# Allegro board C000PC009-HI3516DV300-CORE-A-A01.brd (continued)
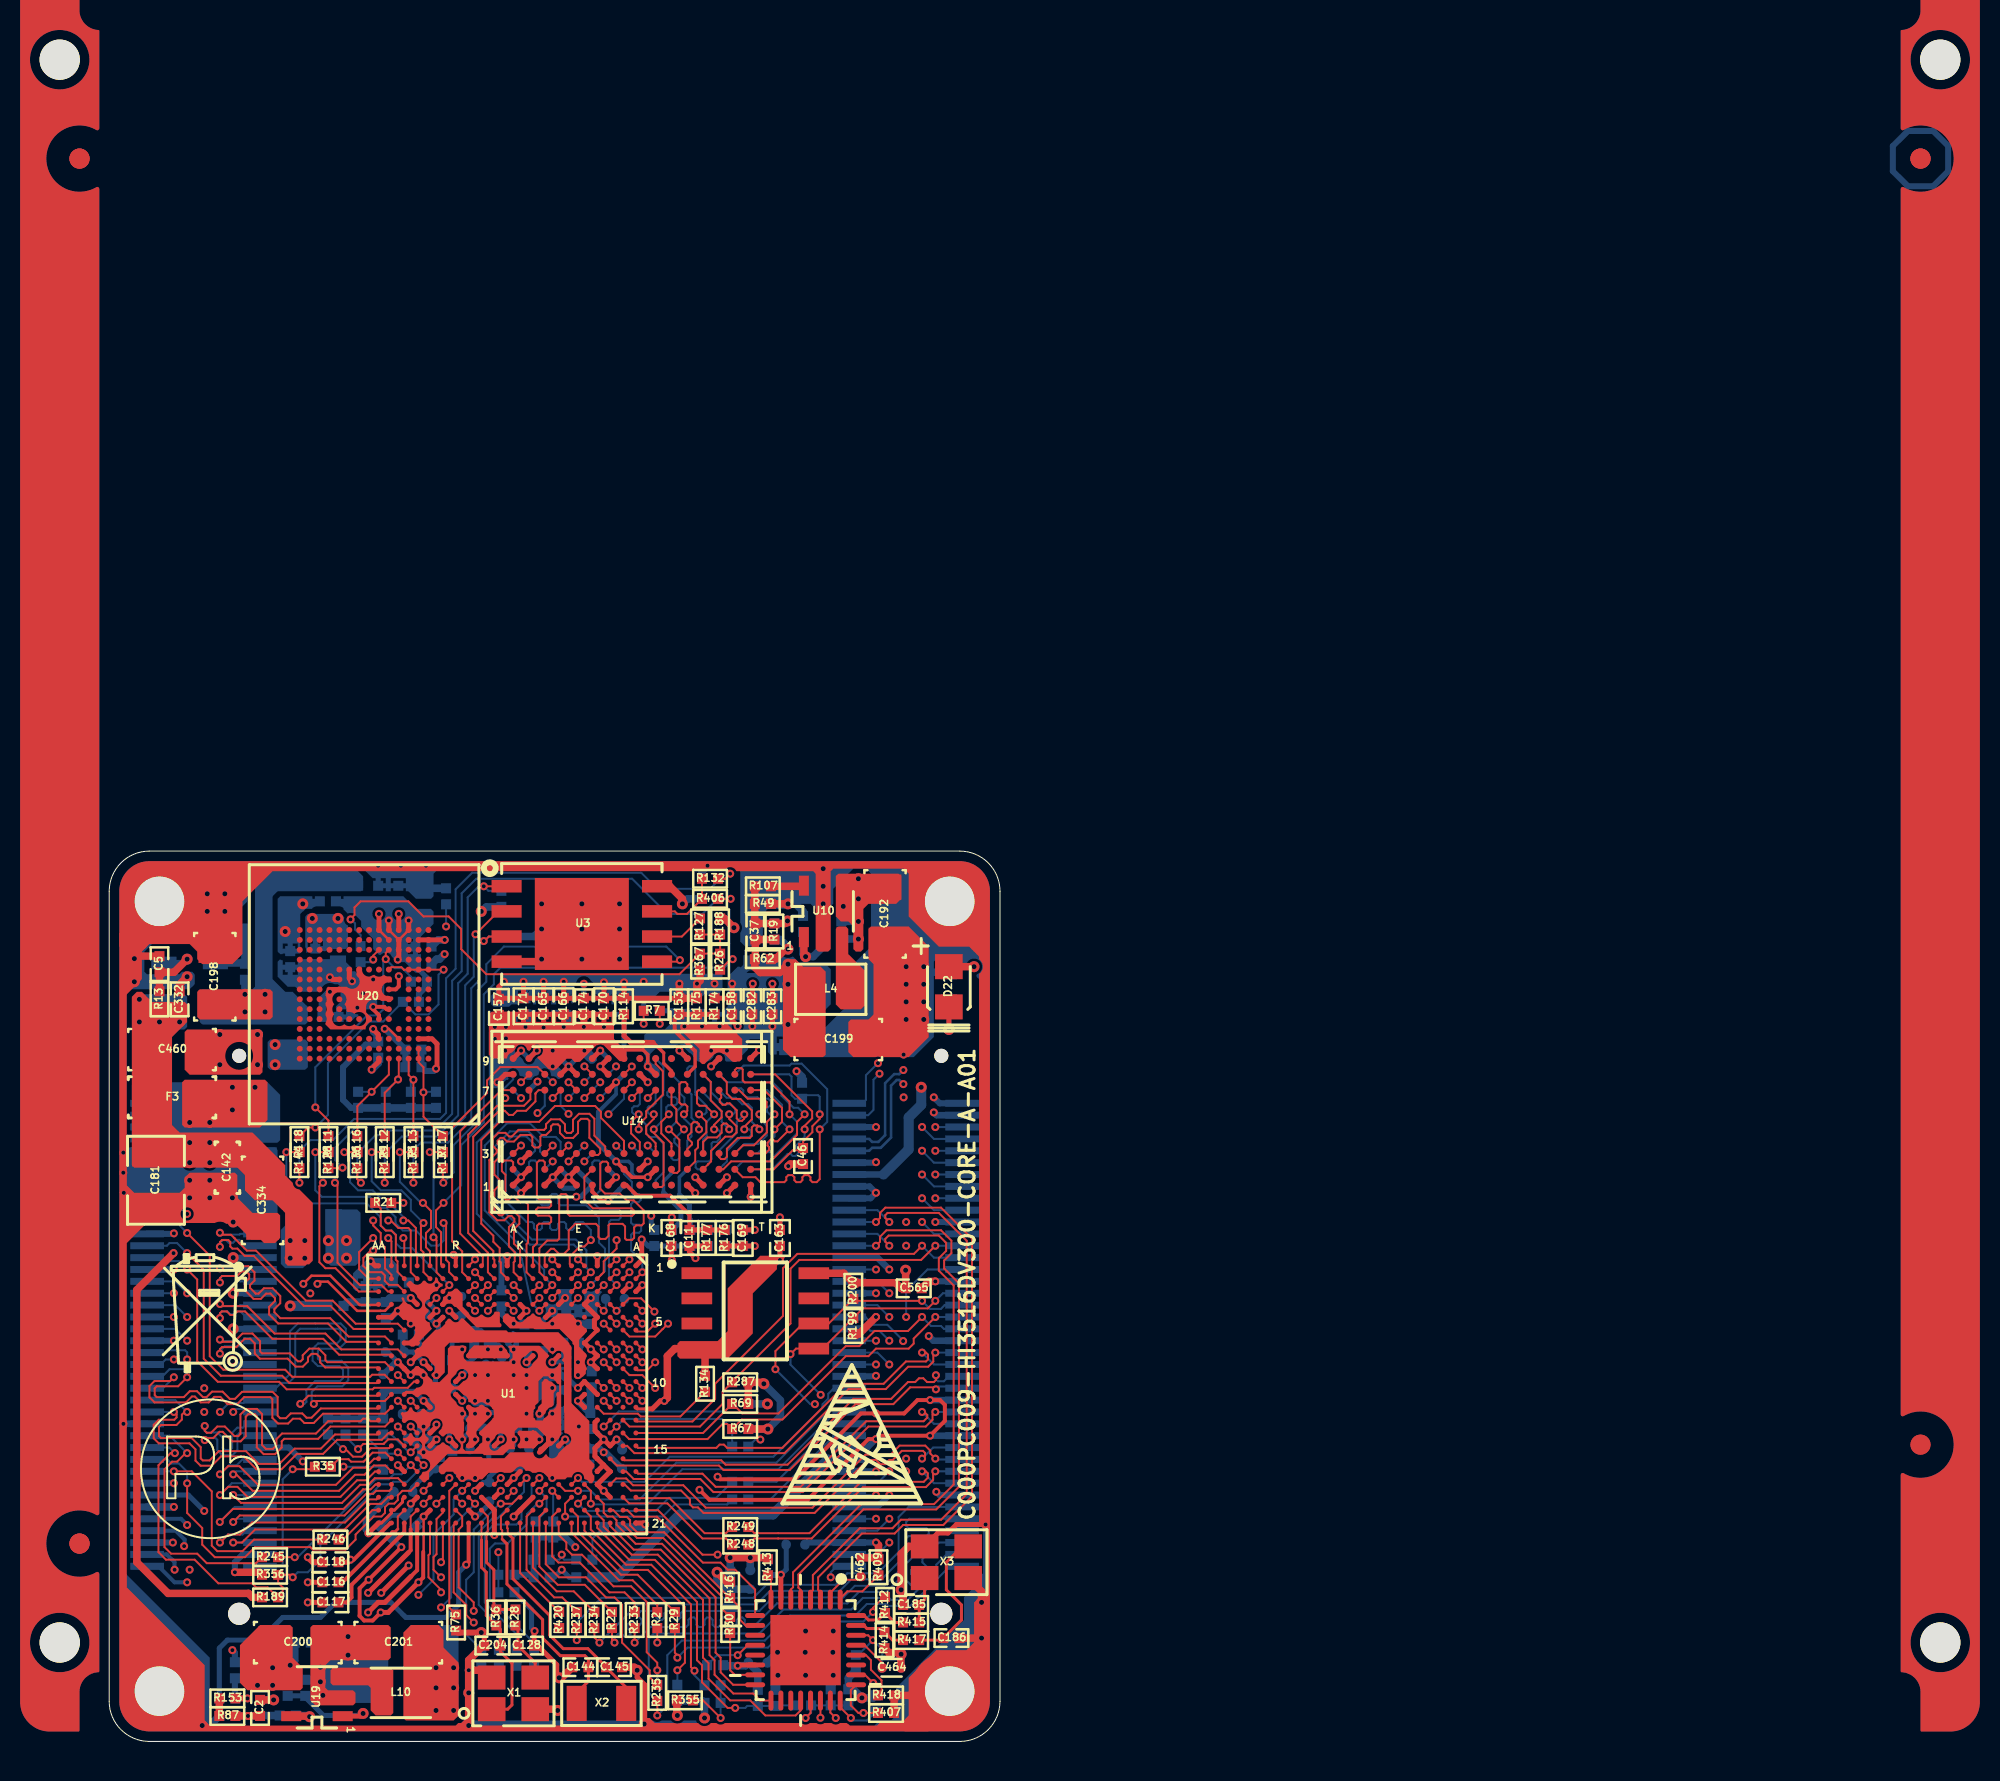
[diagram p0: board, top side]
## Routing (per net, layer and track width the routed paths; a pad name or vN(x,y) marks a point on that pad's centre or on a via; arc(x,y) is an arc through that point) (continued)
  vias: v1(0.71,29.76) v1(0.71,28.74) v1(0.74,27.73) v1(4.8,17.85) v1(4.8,16.65) v1(10.16,22.65) v1(12.54,37.08) v1(13.59,44.26) v1(14.73,44.26) v1(15.88,15.91) v1(16,44.26) v1(17.83,19.82) v1(18.48,17.21) v1(19.13,18.52) v1(20.43,19.17) v1(20.43,18.52) v1(21.08,18.52) v1(21.08,17.87) v1(22.38,18.52) v1(22.38,16.56) v1(40.13,34.71) v1(40.13,32.55) v1(40.26,26.25) v1(40.26,25.05) v1(40.26,14.29) v1(40.26,13.65) v2(4.06,28.36) v2(4.06,27.47) v2(4.95,42.84) v2(5.08,28.36) v2(5.08,27.47) v2(5.59,35.73) v2(5.59,34.2) v2(5.84,42.84) v2(5.84,41.95) v2(6.22,27.47) v2(7.49,35.73) v2(7.49,34.2) v2(10.26,41.6) v2(10.67,3.75) v2(10.8,2.33) v2(11.56,41.6) v2(12.07,4.36) v2(21.84,42.33) v2(23.88,42.33) v2(23.88,41.06) v2(23.88,39.54) v2(25.78,42.33) v2(25.78,41.06) v2(25.78,39.54) v2(35.18,5.58) v2(35.16,4.51) v2(35.18,3.34) v2(36.07,44.11) v2(36.07,43.22) v2(36.58,5.58) v2(36.56,4.51) v2(40.26,39.16) v2(40.26,38.27) v2(40.26,37.38) v2(40.26,36.49) v2(41.15,38.27) v2(41.15,37.38) v2(41.15,36.49)
VBAT: length 15.4
  BOTTOM w0.33: 36.31,14.25 J1.20
  BOTTOM w0.508: 36.31,14.25 33.53,11.47 28.83,11.47 25.65,8.3 R91.1
VCC_IN:
  vias: v2(4.06,31.28) v2(5.08,31.28) v2(6.22,33.06) v2(6.22,31.92) v2(7.37,33.06)
VDDIO_DDR_CK: length 2.1
  TOP w0.254: U1.G8 v1(22.38,19.17)
  BOTTOM w0.254: v1(22.38,19.17) 22.4,19.19 22.92,19.19 C106.1 22.95,19.51 LB20.2
AC_INL/MIC_IN: length 10.4
  TOP w0.254: C116.1 v1(10.03,8.04)
  ART03 w0.254: v1(3.94,10.94) 3.99,10.94 5.49,9.44 7.11,9.44 8.76,7.79 9.42,7.79 9.68,8.04 v1(10.03,8.04)
  BOTTOM w0.203: v1(3.94,10.94) 3.62,11.25 J2.10
AC_INR: length 10.9
  TOP w0.254: C117.1 v1(10.03,7.03)
  ART03 w0.254: v1(10.03,7.03) 9.75,6.75 8.43,6.75 7.14,8.04 5.54,8.04 3.81,9.77 3.81,9.85 v1(3.78,9.87)
  BOTTOM w0.203: J2.8 3.36,10.65 3.81,10.2 3.81,9.9 v1(3.78,9.87)
AC_MICBIAS: length 15.1
  TOP w0.203: v1(12.19,9.19) 12.35,9.19 14.21,11.04 U1.Y21
  TOP w0.254: C118.2 12.07,9.06 v1(12.19,9.19)
  ART03 w0.254: v1(4.8,11.65) 5.08,11.65 5.18,11.55 7.04,11.55 8.64,9.95 10.29,9.95 11.05,9.19 v1(12.19,9.19)
  BOTTOM w0.254: J2.14 4,12.45 v1(4.8,11.65)
AC_OUTL: length 19.1
  TOP w0.102: U1.V20 15.23,11.36 15.23,10.72
  TOP w0.203: 15.23,10.72 15.23,9.66 15.11,9.54
  TOP w0.254: 15.11,9.54 v1(13.08,7.51)
  ART03 w0.254: v1(3.94,8.04) 3.94,7.56 6.25,5.25 6.83,5.25 7.4,5.82 10.25,5.82 11.96,7.53 13.06,7.53 v1(13.08,7.51)
  BOTTOM w0.203: J2.2 2.49,8.85 3.3,8.04 v1(3.94,8.04)
AC_OUTR: length 22
  TOP w0.203: 15.24,8.34 15.56,8.65 U1.V21
  TOP w0.254: v1(13.08,6.52) 13.59,7.03 13.93,7.03 15.24,8.34
  ART03 w0.254: v1(3.3,8.68) 3.18,8.68 2.79,8.3 2.79,7.28 5.97,4.11 7.19,4.11 7.95,4.87 10.8,4.87 12.45,6.52 v1(13.08,6.52)
  BOTTOM w0.203: v1(3.3,8.68) 3.3,8.68 3.3,9.07 2.9,9.45 J2.4
AC_VREF: length 2.6
  TOP w0.254: U1.V19 15.56,12.34 v1(15.23,12.02)
  BOTTOM w0.254: C140.2 14.24,11.43 C43.1 15.23,11.73 v1(15.23,12.02)
CKXTAL1: length 2.7
  TOP w0.152: R417.2 39.57,5.12 R414.2 38.99,5.71 38.28,5.71 38.12,5.86 U21.31
CKXTAL2: length 2.8
  TOP w0.152: R415.2 39.67,6.01 R412.2 38.84,6.14 38.35,6.14 38.13,6.36 U21.32
DDR3_A0: length 20.3
  TOP w0.102: U14.N3 30,30.3 30.23,30.53 30.7,30.53 30.94,30.76 30.94,31.14 31.03,31.23 31.18,31.23 31.32,31.09 v1(31.32,30.94) ; U1.A7 v1(26.93,19.82)
  ART03 w0.102: v1(26.93,19.81) 27,19.88 29.26,19.88 30.23,20.85 30.23,21.86 30.23,22.19 31.22,23.18 31.22,25.56 30.84,25.94 30.84,30.02 31.32,30.5 v1(31.32,30.94)
  BOTTOM w0.102: U15.N3 30,32.8 30.94,31.87 30.94,31.32 v1(31.32,30.94)
DDR3_A1: length 22.1
  TOP w0.102: U14.P7 30.8,32.79 30.92,32.68 30.92,32.54 30.84,32.47 30.84,32.32 30.99,32.18 31.13,32.18 31.2,32.25 31.35,32.25 31.7,31.9 31.7,31.49 31.83,31.37 31.97,31.37 32.08,31.48 v1(32.08,31.7) ; v1(26.93,19.16) 26.61,19.49 U1.A8
  ART03 w0.102: v1(32.08,31.7) 31.71,31.33 31.71,30.39 31.62,30.3 31.62,27.61 31.24,27.23 31.24,26.12 31.62,25.74 31.62,23.02 30.63,22.02 30.63,20.68 29.55,19.6 27.37,19.6 v1(26.93,19.16)
  BOTTOM w0.102: v1(32.08,31.7) 31.7,31.32 31.7,30.76 30.8,29.86 U15.P7
DDR3_A2: length 35.7
  TOP w0.102: v1(32.84,30.94) 32.84,31.04 32.74,31.14 32.56,31.14 32.46,31.04 32.46,30.6 32.36,30.5 31.75,30.5 31.2,29.96 31.2,29.55 31.09,29.44 30.91,29.44 30.8,29.54 U14.P3 ; U1.B8 v1(26.28,19.17)
  ART03 w0.102: v1(32.84,30.94) 32.84,31.22 32.74,31.32 32.56,31.32 32.46,31.22 32.46,30.55 32.56,30.45 33.12,30.45 33.22,30.35 33.22,30.14 33.12,30.04 32.56,30.04 32.46,29.94 32.46,29.74 32.56,29.63 33.12,29.63 33.22,29.53 33.22,29.33 33.12,29.23 32.56,29.23 32.46,29.13 32.46,28.92 32.56,28.82 33.12,28.82 33.22,28.72 33.22,28.52 33.12,28.42 32.56,28.42 32.46,28.31 32.46,27.99 32.57,27.89 33.12,27.89 33.22,27.78 33.22,27.23 33.12,27.12 32.28,27.12 32.18,27.02 32.18,26.52 32.35,26.36 32.83,26.36 32.99,26.19 32.99,24.3 32.87,24.17 32.54,24.17 32.44,24.07 32.44,23.84 32.54,23.74 32.89,23.74 32.99,23.64 32.99,23.44 32.89,23.33 32.54,23.33 32.44,23.23 32.44,22.93 32.82,22.54 32.82,22.4 32.68,22.25 32.53,22.25 32.34,22.44 32.2,22.44 32.04,22.28 32.04,22.14 32.57,21.61 32.57,21.46 32.42,21.32 32.28,21.32 31.75,21.85 31.61,21.85 31.44,21.69 31.44,21.3 31.55,21.2 31.72,21.2 31.83,21.1 31.83,20.9 31.73,20.79 31.55,20.79 31.44,20.69 31.44,20.34 29.99,18.89 29.45,18.89 29.34,18.78 26.66,18.78 v1(26.28,19.16)
  BOTTOM w0.102: U15.P3 31.19,32.53 31.65,32.53 31.98,32.2 32.28,32.2 32.46,32.03 32.46,31.32 v1(32.84,30.94)
DDR3_A3: length 23.1
  TOP w0.102: U14.N2 30.26,29.17 30.4,29.32 30.4,29.85 31.12,30.57 31.47,30.57 31.69,30.78 31.69,31.1 31.32,31.47 v1(31.32,31.7) ; U1.B7 v1(26.28,19.82)
  ART03 w0.102: v1(31.32,31.7) 30.93,31.3 30.93,30.78 30.4,30.26 30.4,25.74 30.81,25.33 30.81,23.35 29.82,22.36 29.82,21.01 29,20.2 26.66,20.2 v1(26.28,19.81)
  BOTTOM w0.102: v1(31.32,31.7) 31.52,31.7 31.62,31.8 31.62,31.98 31.39,32.2 31.01,32.2 30.4,32.81 30.4,33.32 U15.N2
DDR3_A4: length 23.4
  TOP w0.102: U1.A9 26.69,18.76 27.18,18.76 v1(27.58,19.16) ; v1(32.08,30.94) 32.08,31.06 32.46,31.44 32.46,31.89 31.88,32.47 31.48,32.47 31.2,32.75 31.2,33.32 31.06,33.47 31.06,33.47 U14.P8
  ART03 w0.102: v1(32.08,30.94) 32.03,30.88 32.03,27.4 31.77,27.15 31.77,26.31 32.03,26.05 32.03,22.85 31.04,21.86 31.04,20.51 29.69,19.16 v1(27.58,19.16)
  BOTTOM w0.102: U15.P8 31.04,29.15 31.04,29.15 31.2,29.32 31.2,29.84 31.92,30.55 32.33,30.55 32.44,30.65 32.44,30.83 32.33,30.94 v1(32.08,30.94)
DDR3_A5: length 40.1
  TOP w0.102: v1(35.13,31.7) 34.75,31.31 34.75,30.65 33.41,29.32 31.42,29.32 31.02,28.92 U14.P2 ; U1.B10 v1(26.28,17.87)
  ART03 w0.102: v1(26.28,17.86) 26.66,18.25 27.74,18.25 27.91,18.08 28.35,18.08 28.45,17.97 28.45,17.87 28.55,17.77 28.76,17.77 28.86,17.87 28.86,17.97 28.96,18.08 29.16,18.08 29.26,17.97 29.26,17.87 29.37,17.77 29.57,17.77 29.67,17.87 29.67,17.97 29.77,18.08 29.98,18.08 30.08,17.97 30.08,17.87 30.18,17.77 30.38,17.77 30.48,17.87 30.48,18.22 30.65,18.38 30.79,18.38 30.96,18.21 31.1,18.21 31.25,18.35 31.25,18.5 31.08,18.67 31.08,18.81 31.22,18.95 31.36,18.95 31.53,18.78 31.68,18.78 31.82,18.93 31.82,19.07 31.65,19.24 31.65,19.38 31.8,19.53 31.94,19.53 32.11,19.36 32.25,19.36 32.4,19.5 32.4,19.65 32.23,19.82 32.23,19.96 32.37,20.1 32.51,20.1 32.68,19.93 32.83,19.93 32.97,20.08 32.97,20.22 32.8,20.39 32.8,20.53 32.95,20.68 33.09,20.68 33.26,20.51 33.4,20.51 33.55,20.65 33.55,20.8 33.38,20.97 33.38,21.11 33.54,21.28 33.63,21.28 33.63,21.28 33.76,21.28 33.91,21.12 34.02,21.12 34.34,21.44 34.34,21.6 34.19,21.76 34.19,22.03 34.71,22.55 35.03,22.55 35.13,22.65 35.13,22.85 35.03,22.95 34.77,22.95 34.67,23.05 34.67,23.26 34.77,23.36 35.03,23.36 35.13,23.46 35.13,23.66 35.03,23.77 34.77,23.77 34.67,23.87 34.67,24.07 34.77,24.17 35.03,24.17 35.13,24.27 35.13,24.48 35.03,24.58 34.77,24.58 34.67,24.68 34.67,24.88 34.77,24.98 35.03,24.98 35.13,25.09 35.13,25.29 35.03,25.39 34.77,25.39 34.67,25.49 34.67,25.7 34.77,25.8 35.03,25.8 35.13,25.9 35.13,26.1 35.03,26.2 34.77,26.2 34.67,26.31 34.67,30.68 34.76,30.77 34.76,31.33 v1(35.13,31.7)
  BOTTOM w0.102: v1(35.13,31.7) 34.8,32.03 34.57,32.03 33.96,32.64 33.96,32.86 33.51,33.32 31.2,33.32 U15.P2
DDR3_A6: length 39.1
  TOP w0.102: U14.R8 31.6,33.93 31.71,34.03 31.93,34.03 32,33.96 32,33.41 32.1,33.31 33.39,33.31 34.37,32.33 v1(34.37,31.7) ; U1.A11 26.61,17.54 v1(26.93,17.21)
  ART04 w0.102: v1(34.37,31.7) 34.37,32.1 34.47,32.2 35.13,32.2 35.23,32.31 35.23,32.66 35.13,32.76 33.98,32.76 33.81,32.58 33.81,32.05 33.98,31.87 33.98,29.59 34.09,29.49 34.54,29.49 35.03,29 35.03,27.88 35.13,27.78 35.28,27.78 35.38,27.68 35.38,27.47 35.28,27.37 35.1,27.37 35,27.27 35,27.07 35.1,26.96 35.28,26.96 35.38,26.86 35.38,26.66 35.28,26.56 35.1,26.56 35,26.46 35,26.25 35.1,26.15 35.28,26.15 35.38,26.05 35.38,25.85 35.28,25.75 35.1,25.75 35,25.64 35,25.44 35.1,25.34 35.28,25.34 35.38,25.24 35.38,25.03 35.28,24.93 35.1,24.93 35,24.83 35,24.63 35.1,24.53 35.28,24.53 35.38,24.42 35.38,24.22 35.28,24.12 35.1,24.12 35,24.02 35,23.82 35.1,23.71 35.28,23.71 35.38,23.61 35.38,23.37 35.28,23.26 34.71,23.26 34.61,23.16 34.61,22.96 34.71,22.86 35.28,22.86 35.38,22.76 35.38,22.53 30.32,17.47 28.33,17.47 28.2,17.6 27.88,17.6 27.5,17.21 v1(26.93,17.21)
  BOTTOM w0.102: U15.R8 32,29.32 33.33,29.32 34.75,30.74 34.75,31.32 v1(34.37,31.7)
DDR3_A7: length 45
  TOP w0.102: U1.B11 25.96,17.54 v1(26.28,17.21) ; U14.R2 32.01,28.52 32.64,28.52 32.89,28.27 34.1,28.27 34.21,28.37 34.21,28.52 34.31,28.62 34.51,28.62 34.61,28.52 34.61,28.37 34.71,28.27 34.92,28.27 35.02,28.37 35.02,28.52 35.12,28.62 35.32,28.62 35.42,28.52 35.42,28.37 35.53,28.27 35.74,28.27 35.89,28.42 v1(35.89,30.94)
  ART03 w0.102: v1(35.89,30.94) 36.32,30.51 36.32,26.57 35.94,26.19 35.94,21.63 32.13,17.82 32.13,16.35 31.9,16.12 30.78,16.12 30.71,16.2 30.71,16.86 30.66,16.91 30.37,16.91 30.3,16.84 30.3,16.17 30.25,16.12 30,16.12 29.9,16.22 29.9,16.86 29.82,16.93 29.51,16.93 29.44,16.86 29.44,16.22 29.34,16.12 29.13,16.12 29.03,16.22 29.03,16.75 28.88,16.91 28.45,16.91 28.22,16.68 28.22,16.4 28.12,16.3 27.81,16.3 27.71,16.4 27.71,16.73 27.61,16.83 27.41,16.83 27.3,16.73 27.3,16.42 27.2,16.32 27,16.32 26.9,16.42 26.9,16.73 26.8,16.83 26.59,16.83 26.49,16.73 26.49,16.53 26.39,16.43 26.25,16.43 26.06,16.62 26.06,16.99 v1(26.28,17.21)
  BOTTOM w0.102: U15.R2 32.05,34.16 34.37,34.16 34.47,34.26 34.98,34.26 36.27,32.97 36.27,31.31 v1(35.89,30.94)
DDR3_A8: length 38.8
  TOP w0.102: v1(35.13,30.94) 35.13,31.11 35.51,31.49 35.51,31.85 33.64,33.72 U14.T8 ; U1.A10 v1(26.93,17.87)
  ART03 w0.102: v1(35.13,30.94) 35.13,30.58 35.23,30.48 35.71,30.48 35.92,30.27 35.92,30 35.81,29.89 35.18,29.89 35.08,29.79 35.08,29.59 35.18,29.49 35.81,29.49 35.92,29.39 35.92,29.18 35.81,29.08 35.18,29.08 35.08,28.98 35.08,28.78 35.18,28.67 35.81,28.67 35.92,28.57 35.92,28.37 35.81,28.27 35.18,28.27 35.08,28.17 35.08,27.96 35.18,27.86 35.81,27.86 35.92,27.76 35.92,27.56 35.81,27.46 35.18,27.46 35.08,27.35 35.08,27.15 35.18,27.05 35.81,27.05 35.92,26.95 35.92,26.74 35.53,26.36 35.53,22.48 34.75,21.69 34.75,20.99 34.56,20.8 34.27,20.8 34.13,20.66 34.13,20.51 34.13,20.37 33.98,20.22 33.7,20.22 33.55,20.08 33.55,19.94 33.55,19.79 33.41,19.65 33.12,19.65 32.98,19.5 32.98,19.36 32.98,19.22 32.83,19.07 32.55,19.07 32.4,18.93 32.4,18.79 32.4,18.64 32.26,18.5 31.97,18.5 31.83,18.35 31.83,18.21 31.83,18.21 31.83,18.07 31.67,17.91 31.67,16.63 31.57,16.53 31.22,16.53 31.11,16.63 31.11,17.25 31.01,17.35 28.45,17.35 28.2,17.6 27.88,17.6 27.68,17.39 27.41,17.39 v1(26.93,17.86)
  BOTTOM w0.102: U15.T8 33.49,28.92 34.27,29.7 34.42,29.7 34.53,29.59 34.67,29.59 34.81,29.73 34.81,29.88 34.7,29.99 34.7,30.13 35.13,30.56 v1(35.13,30.94)
DDR3_A9: length 36.9
  TOP w0.102: v1(27.58,17.86) 26.93,18.52 26.28,18.52 U1.B9 ; U14.R3 32.02,30.13 32.57,30.13 33.22,30.78 33.22,31.31 v1(33.61,31.7)
  ART04 w0.102: v1(27.58,17.86) 29.27,17.86 29.65,18.24 29.79,18.24 30.02,18.02 30.17,18.02 30.31,18.16 30.31,18.3 30.08,18.53 30.08,18.68 30.23,18.82 30.37,18.82 30.6,18.59 30.74,18.59 30.88,18.74 30.88,18.88 30.66,19.11 30.66,19.25 30.8,19.39 30.94,19.39 31.17,19.17 31.32,19.17 31.46,19.31 31.46,19.45 31.23,19.68 31.23,19.83 31.38,19.97 31.52,19.97 31.75,19.74 31.89,19.74 32.03,19.89 32.03,20.03 31.81,20.26 31.81,20.4 31.95,20.54 32.09,20.54 32.32,20.32 32.47,20.32 32.61,20.46 32.61,20.6 32.38,20.83 32.38,20.98 32.54,21.14 32.69,21.14 32.98,20.85 33.12,20.85 33.27,20.99 33.27,21.13 32.98,21.43 32.98,21.57 33.12,21.71 33.26,21.71 33.56,21.42 33.7,21.42 33.84,21.56 33.84,21.71 33.55,22 33.55,22.14 33.69,22.29 33.84,22.29 34.13,22 34.27,22 34.42,22.14 34.42,22.28 34.06,22.64 34.06,23.44 34.59,23.97 34.59,26.84 34.49,26.95 34.06,26.95 33.96,27.05 33.96,27.25 34.06,27.35 34.49,27.35 34.59,27.45 34.59,27.66 34.49,27.76 34.06,27.76 33.96,27.86 33.96,28.09 34.06,28.19 34.49,28.19 34.59,28.29 34.59,28.5 34.39,28.7 33.63,28.7 33.53,28.8 33.53,30.15 33.48,30.2 33.16,30.2 33.06,30.3 33.06,30.54 33.24,30.72 33.24,31.33 v1(33.61,31.7)
  BOTTOM w0.102: U15.R3 31.69,33.01 31.93,33.01 32.03,32.9 32.03,32.71 32.18,32.56 32.74,32.56 32.91,32.39 33.06,32.39 33.15,32.49 33.29,32.49 33.44,32.34 33.44,32.2 33.23,31.99 33.23,31.84 33.37,31.7 v1(33.61,31.7)
DDR3_A10: length 21.6
  TOP w0.102: U14.L7 28.4,32.2 28.65,31.95 28.65,31.32 v1(29.03,30.94) ; v1(24.98,21.11) 25.3,20.79 U1.C6
  ART04 w0.102: v1(29.03,30.94) 29.23,30.94 29.67,30.5 29.67,29 30.17,28.5 30.17,25.34 30.53,24.98 30.53,23.27 29.64,22.38 29.64,21.12 28.57,20.06 27.52,20.06 27.17,20.4 25.7,20.4 v1(24.98,21.11)
  BOTTOM w0.102: U15.L7 28.4,29.72 28.4,29.49 28.51,29.38 28.7,29.38 28.8,29.49 28.8,30.02 28.55,30.27 28.55,30.45 v1(29.03,30.94)
DDR3_A11: length 34.7
  TOP w0.102: v1(32.84,31.7) 33.21,32.07 33.21,32.31 33.04,32.48 32.26,32.48 31.82,32.92 U14.R7 ; v1(24.98,17.87) U1.D10
  ART04 w0.102: v1(32.84,31.7) 32.46,31.31 32.46,30.38 33.12,29.71 33.12,28.39 33.32,28.19 33.45,28.19 33.55,28.09 33.55,27.89 33.45,27.78 33.32,27.78 33.22,27.68 33.22,27.48 33.32,27.38 33.45,27.38 33.55,27.28 33.55,27.07 33.45,26.97 33.32,26.97 33.22,26.87 33.22,26.64 33.12,26.54 32.9,26.54 32.8,26.44 32.8,26.21 33,26.01 34.04,26.01 34.14,25.9 34.14,25.7 34.04,25.6 33.2,25.6 33.1,25.5 33.1,25.3 33.2,25.19 34.09,25.19 34.16,25.12 34.16,24.89 34.06,24.79 33.2,24.79 33.1,24.69 33.1,23.41 33.2,23.31 33.53,23.31 33.63,23.21 33.63,23 33.53,22.9 33.2,22.9 33.1,22.8 33.1,22.34 32.99,22.24 32.82,22.24 32.56,22.49 32.36,22.49 32.21,22.34 32.21,22.22 32.56,21.87 32.56,21.72 32.39,21.56 32.25,21.56 31.76,22.05 31.62,22.05 31.48,21.9 31.48,21.76 31.96,21.27 31.96,21.13 29.11,18.28 25.4,18.28 v1(24.98,17.86)
  BOTTOM w0.102: U15.R7 32.08,30.2 32.79,30.2 33.21,30.62 33.21,31.12 32.84,31.49 v1(32.84,31.7)
DDR3_A12: length 33.5
  TOP w0.102: v1(30.56,31.7) 30.13,32.13 29.82,32.13 29.69,32.25 29.69,32.84 29.77,32.92 U14.N7 ; U1.C9 v1(24.98,19.16)
  ART04 w0.102: v1(24.98,19.16) 25.59,18.56 28.81,18.56 30.93,20.67 30.93,21.94 31.89,22.9 32.59,22.9 32.69,23 32.69,23.21 32.59,23.31 31.85,23.31 31.75,23.41 31.75,23.61 31.85,23.71 32.59,23.71 32.69,23.82 32.69,24.02 32.59,24.12 31.85,24.12 31.75,24.22 31.75,24.5 31.85,24.6 32.13,24.6 32.23,24.7 32.23,24.91 32.13,25.01 31.85,25.01 31.75,25.11 31.75,25.31 31.85,25.42 32.13,25.42 32.23,25.52 32.23,25.72 32.13,25.82 31.85,25.82 31.75,25.92 31.75,26.92 31.85,27.02 32.59,27.02 32.77,27.21 32.77,27.89 32.67,28 32.28,28 32.18,28.1 32.18,28.3 32.28,28.4 32.59,28.4 32.69,28.5 32.69,28.71 32.59,28.81 32.25,28.81 32.15,28.91 32.15,29.13 32.26,29.23 32.49,29.23 32.61,29.36 32.61,29.61 32.4,29.83 32.24,29.83 31.75,29.33 31.5,29.33 31.33,29.5 31.33,29.65 31.79,30.11 31.79,30.35 31.69,30.46 31.45,30.46 31.22,30.22 31.03,30.22 30.93,30.32 30.93,31.33 v1(30.56,31.7)
  BOTTOM w0.102: v1(30.56,31.7) 30.18,31.32 30.18,30.6 30,30.42 U15.N7
DDR3_A13: length 35.4
  TOP w0.102: U14.T3 33.15,29.72 33.33,29.9 33.33,30.04 33.26,30.11 33.26,30.26 33.4,30.4 33.55,30.4 33.62,30.33 33.76,30.33 v1(34.37,30.94) ; v1(25.63,17.21) 25.31,17.54 U1.C11
  ART04 w0.102: v1(34.37,30.94) 34.37,31.21 34.47,31.31 35.42,31.31 35.52,31.21 35.52,30.65 35.42,30.55 34.59,30.55 34.46,30.42 34.46,30.25 34.56,30.15 35.69,30.15 35.79,30.04 35.79,29.84 35.69,29.74 35.31,29.74 35.25,29.69 35.25,29.44 35.36,29.33 35.69,29.33 35.79,29.23 35.79,22.21 32.21,18.63 32.21,18.06 32.12,17.97 31.9,17.97 31.77,18.11 31.63,18.11 31.44,17.92 31.44,17.78 31.66,17.56 31.66,17.41 31.49,17.25 31.34,17.25 31.08,17.51 30.94,17.51 30.79,17.37 30.79,17.22 31.06,16.96 31.06,16.82 30.9,16.65 30.41,16.65 30.25,16.81 30.25,16.93 30.15,17.03 29.95,17.03 29.85,16.93 29.85,16.81 29.75,16.7 29.54,16.7 29.44,16.81 29.44,16.93 29.34,17.03 28.45,17.03 28.25,16.83 26.01,16.83 v1(25.63,17.21)
  BOTTOM w0.102: v1(34.37,30.94) 33.99,31.32 33.99,32.18 33.25,32.92 U15.T3
DDR3_A14: length 34.7
  TOP w0.102: U14.T7 33.09,32.92 33.99,32.02 33.99,31.32 v1(33.61,30.94) ; v1(25.63,17.86) 25.31,18.19 U1.C10
  ART03 w0.102: v1(33.61,30.94) 33.83,30.94 34.19,30.58 34.19,30.35 34.11,30.27 33.73,30.27 33.63,30.17 33.63,29.97 33.73,29.87 34.16,29.87 34.26,29.77 34.26,29.56 34.16,29.46 33.73,29.46 33.63,29.36 33.63,29 33.73,28.9 33.94,28.9 34.16,28.69 34.16,28.57 34.09,28.5 33.73,28.5 33.63,28.39 33.63,28.19 33.73,28.09 34.16,28.09 34.26,27.99 34.26,27.78 34.16,27.68 33.73,27.68 33.63,27.58 33.63,27.38 33.73,27.28 34.16,27.28 34.26,27.17 34.26,26.97 34.16,26.87 33.5,26.87 33.4,26.77 33.4,26.19 33.5,26.09 34.08,26.09 34.24,25.94 34.24,25.58 34.13,25.48 33.52,25.48 33.41,25.38 33.41,25.18 33.52,25.07 34.08,25.07 34.18,24.97 34.18,24.79 34.08,24.69 33.5,24.69 33.4,24.59 33.4,23.54 33.5,23.44 34.06,23.44 34.19,23.31 34.19,22.88 34.09,22.77 33.33,22.77 33.23,22.67 33.23,22.39 33.33,22.29 33.68,22.29 33.78,22.19 33.78,22 33.46,21.68 33.12,21.68 33.02,21.58 33.02,21.33 30.17,18.48 26.25,18.48 v1(25.63,17.86)
  BOTTOM w0.102: v1(33.61,30.94) 33.61,30.58 33.39,30.36 33.39,30.22 33.53,30.07 33.53,29.93 33.39,29.78 33.25,29.78 33.1,29.93 32.96,29.93 32.74,29.72 U15.T7
DDR3_A15: length 20.1
  TOP w0.102: U14.M7 29.2,32.92 29.2,33.23 29.11,33.32 28.9,33.32 28.8,33.22 28.8,32.3 28.9,32.19 29.1,32.19 29.2,32.09 29.2,31.87 v1(29.03,31.7) ; U1.B5 v1(26.28,21.12)
  ART03 w0.102: v1(29.03,31.7) 29.4,31.33 29.4,30.78 28.96,30.34 28.96,27.54 29.23,27.26 29.23,25.79 30,25.03 30,23.69 29.01,22.7 29.01,21.17 28.57,20.73 26.66,20.73 v1(26.28,21.11)
  BOTTOM w0.102: U15.M7 29.2,30.37 29.41,30.58 29.41,31.11 29.03,31.49 v1(29.03,31.7)
DDR3_BA0: length 25
  TOP w0.102: v1(29.8,31.7) 30.16,31.33 30.16,30.78 29.74,30.36 29.74,30.02 29.6,29.88 29.6,29.32 U14.M2 ; U1.D7 v1(24.98,19.82)
  ART04 w0.102: v1(24.98,19.81) 25.36,20.2 27.09,20.2 27.51,19.78 28.88,19.78 30.11,21.01 30.11,22.28 30.94,23.1 30.94,25.44 30.58,25.8 30.58,28.77 30.19,29.17 30.19,31.3 v1(29.8,31.7)
  BOTTOM w0.102: v1(29.8,31.7) 30.07,31.7 30.17,31.8 30.17,32.13 29.62,32.68 29.62,32.79 29.6,32.81 29.6,34.06 29.54,34.12 29.31,34.12 29.2,34.02 29.2,33.72 U15.M2
DDR3_BA1: length 24.3
  TOP w0.102: v1(30.56,30.94) 30.56,31.16 30.94,31.55 30.94,31.85 30.39,32.4 30.39,33.34 30.26,33.47 U14.N8 ; U1.C8 25.31,19.49 v1(25.63,19.16)
  ART04 w0.102: v1(30.56,30.94) 30.56,29.68 31.75,28.49 31.75,27.63 31.34,27.23 31.34,22.93 30.52,22.11 30.52,20.84 28.47,18.78 26.01,18.78 v1(25.63,19.16)
  BOTTOM w0.102: U15.N8 29.73,28.92 29.62,29.02 29.62,29.22 29.73,29.32 30.31,29.32 30.43,29.44 30.43,30.22 30.5,30.3 30.68,30.3 30.86,30.48 30.86,30.82 30.74,30.94 v1(30.56,30.94)
DDR3_BA2: length 19.9
  TOP w0.102: U14.M3 29.2,29.72 29.2,29.94 29.44,30.17 29.44,30.27 29.24,30.47 29.24,30.62 29.41,30.79 29.41,31.2 29.51,31.3 29.69,31.3 29.8,31.2 v1(29.8,30.94) ; v1(25.63,19.81) 25.31,20.14 U1.C7
  ART03 w0.102: v1(29.8,30.94) 29.97,30.76 29.97,28.36 29.97,27.56 29.97,27.56 29.97,25.72 30.4,25.29 30.4,23.52 29.41,22.53 29.41,21.18 28.72,20.49 26.3,20.49 v1(25.63,19.81)
  BOTTOM w0.102: U15.M3 29.41,32.71 29.41,31.52 29.8,31.14 v1(29.8,30.94)
DDR3_CAS_N: length 18.5
  TOP w0.102: v1(27.51,31.7) 27.51,31.47 27.13,31.09 27.13,30.72 27.6,30.24 27.6,30.07 27.6,30.07 27.6,29.72 U14.K3 ; v1(28.23,21.11) 27.96,20.85 27.58,20.47 26.28,20.47 26.16,20.58 U1.B6
  ART03 w0.102: v1(28.23,21.11) 28.6,21.48 28.6,22.88 29.23,23.51 29.23,25.05 28.8,25.48 28.8,26.62 28.24,27.18 28.24,30.44 27.89,30.8 27.89,31.21 27.51,31.59 v1(27.51,31.7)
  BOTTOM w0.102: v1(27.51,31.7) 27.3,31.7 27.2,31.8 27.2,32.03 27.27,32.1 27.45,32.1 27.6,32.25 U15.K3
DDR3_CKE: length 19.7
  TOP w0.102: U14.K9 27.6,34.24 27.96,33.88 27.96,32.69 27.13,31.85 27.13,31.56 26.75,31.18 v1(26.75,30.94) ; U1.A4 v1(26.93,21.76)
  ART04 w0.102: v1(26.75,30.94) 26.95,30.94 27.32,30.57 27.42,30.57 28.02,29.97 28.02,22.57 27.55,22.11 27.27,22.11 v1(26.93,21.76)
  BOTTOM w0.102: U15.K9 27.6,28.36 28,28.76 28,30.21 27.66,30.55 27.28,30.55 27.13,30.7 27.13,31.16 26.99,31.3 26.85,31.3 26.75,31.2 v1(26.75,30.94)
DDR3_CLK_N: length 21.8
  TOP w0.102: R7.1 v1(27.81,36.27) ; v1(25.63,21.77) U1.C4 ; U14.K7 v1(27.2,32.52)
  ART03 w0.102: v1(25.63,21.76) 25.46,21.94 25.46,22.15 25.62,22.32 27.25,22.32 27.71,22.78 27.71,25.58 26.8,26.49 26.8,29.71 v1(27.2,30.12) 27,30.12 26.24,30.88 26.24,31.8 26.96,32.52 v1(27.2,32.52) 27.52,32.52 27.99,32.99 27.99,34.49 27.63,34.84 27.63,36.09 v1(27.81,36.27)
  BOTTOM w0.102: v1(25.63,21.76) 26.02,22.16 C231.1 ; U15.K7 v1(27.2,30.12)
DDR3_CLK_P: length 21.8
  TOP w0.102: v1(24.98,21.77) U1.D4 ; R7.2 v1(27,36.27) ; U14.J7 v1(26.41,32.52)
  ART03 w0.102: v1(24.98,21.76) 25.1,21.88 25.1,22.3 25.48,22.67 27.1,22.67 27.36,22.93 27.36,25.43 26.44,26.34 26.44,29.13 26.34,29.23 26.19,29.23 26.09,29.33 26.09,29.54 26.19,29.64 26.34,29.64 26.44,29.74 26.44,30.08 v1(26.41,30.12) 26.41,30.21 25.88,30.73 25.88,31.95 26.41,32.47 v1(26.41,32.52) 26.8,32.92 27.41,32.92 27.63,33.14 27.63,34.34 27.28,34.7 27.28,35.99 v1(27,36.27)
  BOTTOM w0.102: v1(24.98,21.76) 25.08,21.87 C231.2 ; U15.J7 v1(26.41,30.12)
DDR3_CS_N: length 19.4
  TOP w0.102: U14.L2 28.4,28.92 28.4,28.84 28.51,28.74 28.69,28.74 28.8,28.85 28.8,30.4 v1(28.27,30.94) ; U1.A5 v1(26.93,21.12)
  ART04 w0.102: v1(26.93,21.11) 27.05,21.11 27.45,20.72 28.37,20.72 28.73,21.07 28.73,22.72 29.21,23.21 29.21,24.54 29.36,24.69 29.36,26.84 28.83,27.38 28.83,30.17 28.27,30.73 v1(28.27,30.94)
  BOTTOM w0.102: v1(28.27,30.94) 28.67,31.33 28.67,31.85 29.06,32.24 29.06,32.53 28.8,32.79 28.8,33.32 U15.L2
DDR3_DM0: length 17.4
  TOP w0.102: U14.E7 v1(23.2,33.32) ; v1(18.48,22.41) 18.48,22.41 U1.N4
  ART03 w0.102: v1(23.2,33.32) 22.8,32.92 21.54,32.92 21.18,33.27 21.18,33.46 20.96,33.69 20.65,33.69 19.44,33.69 19.2,33.45 19.2,31.43 18.19,30.42 18.19,30.41 18.14,30.36 18.14,24.56 18.1,24.52 18.1,22.8 v1(18.48,22.41)
DDR3_DM1: length 13.6
  TOP w0.102: v1(19.13,21.76) 19.46,22.09 U1.M4 ; U14.D3 v1(23.2,30.12)
  ART03 w0.102: v1(23.2,30.12) 22.74,30.58 20.73,30.58 19.96,29.82 19.96,25.34 20.49,24.82 20.49,24.03 19.89,23.44 19.89,22.52 v1(19.13,21.76)
DDR3_DM2: length 9.4
  TOP w0.102: U1.G3 v1(22.38,22.41)
  ART03 w0.102: v1(22.38,22.41) 22.81,22.84 22.81,23.82 22.99,23.99 22.99,27.78 23.35,28.15 23.36,28.15 23.57,28.36 23.57,28.37 23.62,28.42 23.62,29.73 v1(24,30.12)
  BOTTOM w0.102: U15.E7 v1(24,30.12)
DDR3_DM3: length 11.6
  TOP w0.102: U1.F3 v1(23.68,23.06)
  ART03 w0.102: v1(23.68,23.06) 23.29,23.45 23.29,25.35 23.8,25.85 23.8,27.21 23.96,27.38 23.96,27.95 24.46,28.44 24.46,30.2 23.2,31.45 v1(23.2,31.72)
  BOTTOM w0.102: v1(23.2,31.72) 22.8,32.12 U15.D3
DDR3_DQ0: length 15.3
  TOP w0.102: U14.E3 23.2,29.32 v1(23.2,29.32) ; U1.L4 v1(20.43,21.76)
  ART03 w0.102: v1(23.2,29.32) 22.81,28.92 22.81,28.37 21.34,26.9 21.34,26.67 21.44,26.57 22.28,26.57 22.38,26.46 22.38,26.26 22.28,26.16 21.44,26.16 21.34,26.06 21.34,25.85 21.44,25.75 22.28,25.75 22.38,25.65 22.38,25.45 22.28,25.35 21.44,25.35 21.34,25.24 21.34,24.2 21.44,24.09 21.84,24.09 21.95,23.99 21.95,23.79 21.84,23.69 21.44,23.69 21.34,23.59 21.34,23.09 21.23,22.98 21.01,22.98 20.9,22.88 20.9,22.68 21.01,22.58 21.23,22.58 21.34,22.48 21.34,22.25 21.23,22.15 20.81,22.15 v1(20.43,21.76)
DDR3_DQ1: length 14.8
  TOP w0.102: v1(19.13,22.41) 19.46,22.74 U1.M3 ; U14.F7 v1(24,32.52)
  ART03 w0.102: v1(24,32.52) 23.59,32.1 22.66,32.1 21.67,31.11 20.68,31.11 19.48,29.92 19.48,24.11 19.38,24.01 19.25,24.01 19.15,23.91 19.15,23.71 19.25,23.6 19.46,23.6 19.56,23.5 19.56,22.84 v1(19.13,22.41)
DDR3_DQ2: length 14.5
  TOP w0.102: U1.H2 21.73,23.71 21.73,24.92 22.12,25.31 22.63,25.31 22.73,25.42 22.73,27.56 22.83,27.66 23.06,27.66 23.16,27.56 23.16,26.67 23.27,26.57 26.42,26.57 26.52,26.67 26.52,26.82 26.39,26.95 24.43,26.95 24.01,27.37 24.01,28.52 24.15,28.67 24.15,28.67 U14.F2
DDR3_DQ3: length 16
  TOP w0.102: U1.N3 v1(19.13,23.06) ; U14.F8 v1(24.01,34.12)
  ART04 w0.102: v1(19.13,23.06) 19.61,23.54 19.61,32.66 19.83,32.89 21.69,32.89 22.04,33.23 22.04,33.47 22.29,33.73 23.62,33.73 v1(24.01,34.12)
DDR3_DQ4: length 17
  TOP w0.102: U1.L2 20.11,23.39 19.78,23.72 19.78,24.21 19.73,24.27 19.73,24.93 19.41,25.25 19.41,25.56 18.8,26.17 18.8,30.39 19.72,31.31 21.72,31.31 22.52,32.12 24.55,32.12 24.84,31.82 24.84,31.52 26,30.35 U14.H3
DDR3_DQ5: length 21.2
  TOP w0.102: v1(18.48,21.77) U1.P4 ; U14.H8 v1(26.4,34.11)
  ART03 w0.102: v1(26.4,34.11) 25.87,33.72 22.2,33.72 20.98,34.09 19.46,34.09 19.3,34.05 18.79,33.54 17.78,30.67 17.78,22.68 v1(18.48,21.76)
DDR3_DQ6: length 14.9
  TOP w0.102: U1.H1 22,24.1 22,24.58 22.32,24.9 22.46,24.9 22.72,24.65 22.98,24.65 23.22,24.88 23.22,25.83 23.55,26.16 24.59,26.16 24.71,26.03 24.71,25.5 24.82,25.4 25.07,25.4 25.22,25.55 25.22,26.08 25.3,26.16 25.93,26.16 26.06,26.03 26.06,25.42 26.13,25.35 26.42,25.35 26.52,25.45 26.52,25.98 26.62,26.08 26.9,26.08 27,26.18 27,26.84 26.5,27.35 26.14,27.35 25.79,27.69 25.04,27.69 24.81,27.93 24.81,29.2 24.91,29.3 25.12,29.3 25.21,29.22 U14.G2
DDR3_DQ7: length 19.9
  TOP w0.102: v1(18.48,23.06) 18.16,22.74 U1.P3 ; U14.H7 v1(26.41,33.32)
  ART04 w0.102: v1(26.41,33.32) 26.01,33.98 26.01,34.26 25.76,34.52 22.2,34.52 19.49,33.75 19.1,33.36 19.1,23.68 v1(18.48,23.06)
DDR3_DQ8: length 12
  TOP w0.102: U1.N2 18.81,23.39 v1(18.48,23.71) ; U14.D7 v1(22.41,32.52)
  ART03 w0.102: v1(22.41,32.52) 21.45,32.52 18.95,30.02 18.95,24.18 v1(18.48,23.71)
DDR3_DQ9: length 10.1
  TOP w0.102: U14.C3 v1(22.4,30.12) ; U1.K3 20.76,22.74 v1(20.43,23.06)
  ART03 w0.102: v1(22.4,30.12) 21.98,29.69 20.57,29.69 20.4,29.51 20.4,26.62 20.8,26.21 20.8,23.82 20.43,23.45 v1(20.43,23.06)
DDR3_DQ10: length 14.4
  TOP w0.102: U1.P2 18.16,23.39 17.83,23.71 17.83,24.77 17.32,25.28 17.32,31.01 19.09,32.77 19.09,33.41 19.76,34.08 21.64,34.08 U14.C8
DDR3_DQ11: length 8.6
  TOP w0.102: U1.J1 21.41,24.98 21.61,25.19 21.61,26.07 21.72,26.17 22.22,26.17 22.33,26.27 22.33,26.47 22.22,26.58 21.67,26.58 21.56,26.68 21.56,26.88 21.67,26.98 22.22,26.98 22.33,27.08 22.33,27.29 22.22,27.39 21.72,27.39 21.61,27.5 21.61,29.25 21.72,29.36 21.92,29.36 22.01,29.27 U14.C2
DDR3_DQ12: length 10.8
  TOP w0.102: U1.N1 18.87,24.11 18.87,24.53 17.73,25.67 17.73,30.84 19.81,32.92 U14.A7
DDR3_DQ13: length 8.3
  TOP w0.102: U1.J2 21.08,23.71 21.08,25.14 21.16,25.21 21.16,27.15 21.06,27.25 20.75,27.25 20.48,27.52 20.33,27.52 20.18,27.38 20.04,27.38 19.88,27.53 19.88,27.68 20.02,27.81 20.02,28.64 19.84,28.82 19.84,29.23 19.96,29.36 20.32,29.36 20.41,29.27 U14.A2
DDR3_DQ14: length 10.9
  TOP w0.102: U14.B8 v1(20.81,33.32) ; v1(18.48,24.36) 18.16,24.04 U1.P1
  ART03 w0.102: v1(20.81,33.32) 20.42,32.93 20.42,32.08 18.62,30.27 18.62,30.26 18.54,30.19 18.54,24.43 v1(18.48,24.36)
DDR3_DQ15: length 9.8
  TOP w0.102: U1.L3 v1(20.43,22.42) ; U14.A3 v1(20.8,30.12)
  ART04 w0.102: v1(20.43,22.41) 20.04,22.81 20.04,23.38 20.5,23.84 20.5,24.96 20.24,25.21 20.24,26.57 21.21,27.53 21.21,29.71 v1(20.8,30.12)
DDR3_DQ16: length 12.1
  TOP w0.102: v1(23.68,22.41) 23.36,22.09 U1.F4
  ART04 w0.102: v1(23.68,22.41) 23.11,22.98 23.11,24.37 23.85,25.11 23.85,25.47 24.03,25.64 24.03,28.6 23.62,29 23.62,32.1 v1(23.2,32.52)
  BOTTOM w0.102: U15.E3 v1(23.2,32.52)
